# KiCad board amulet_controller.kicad_pcb (continued)
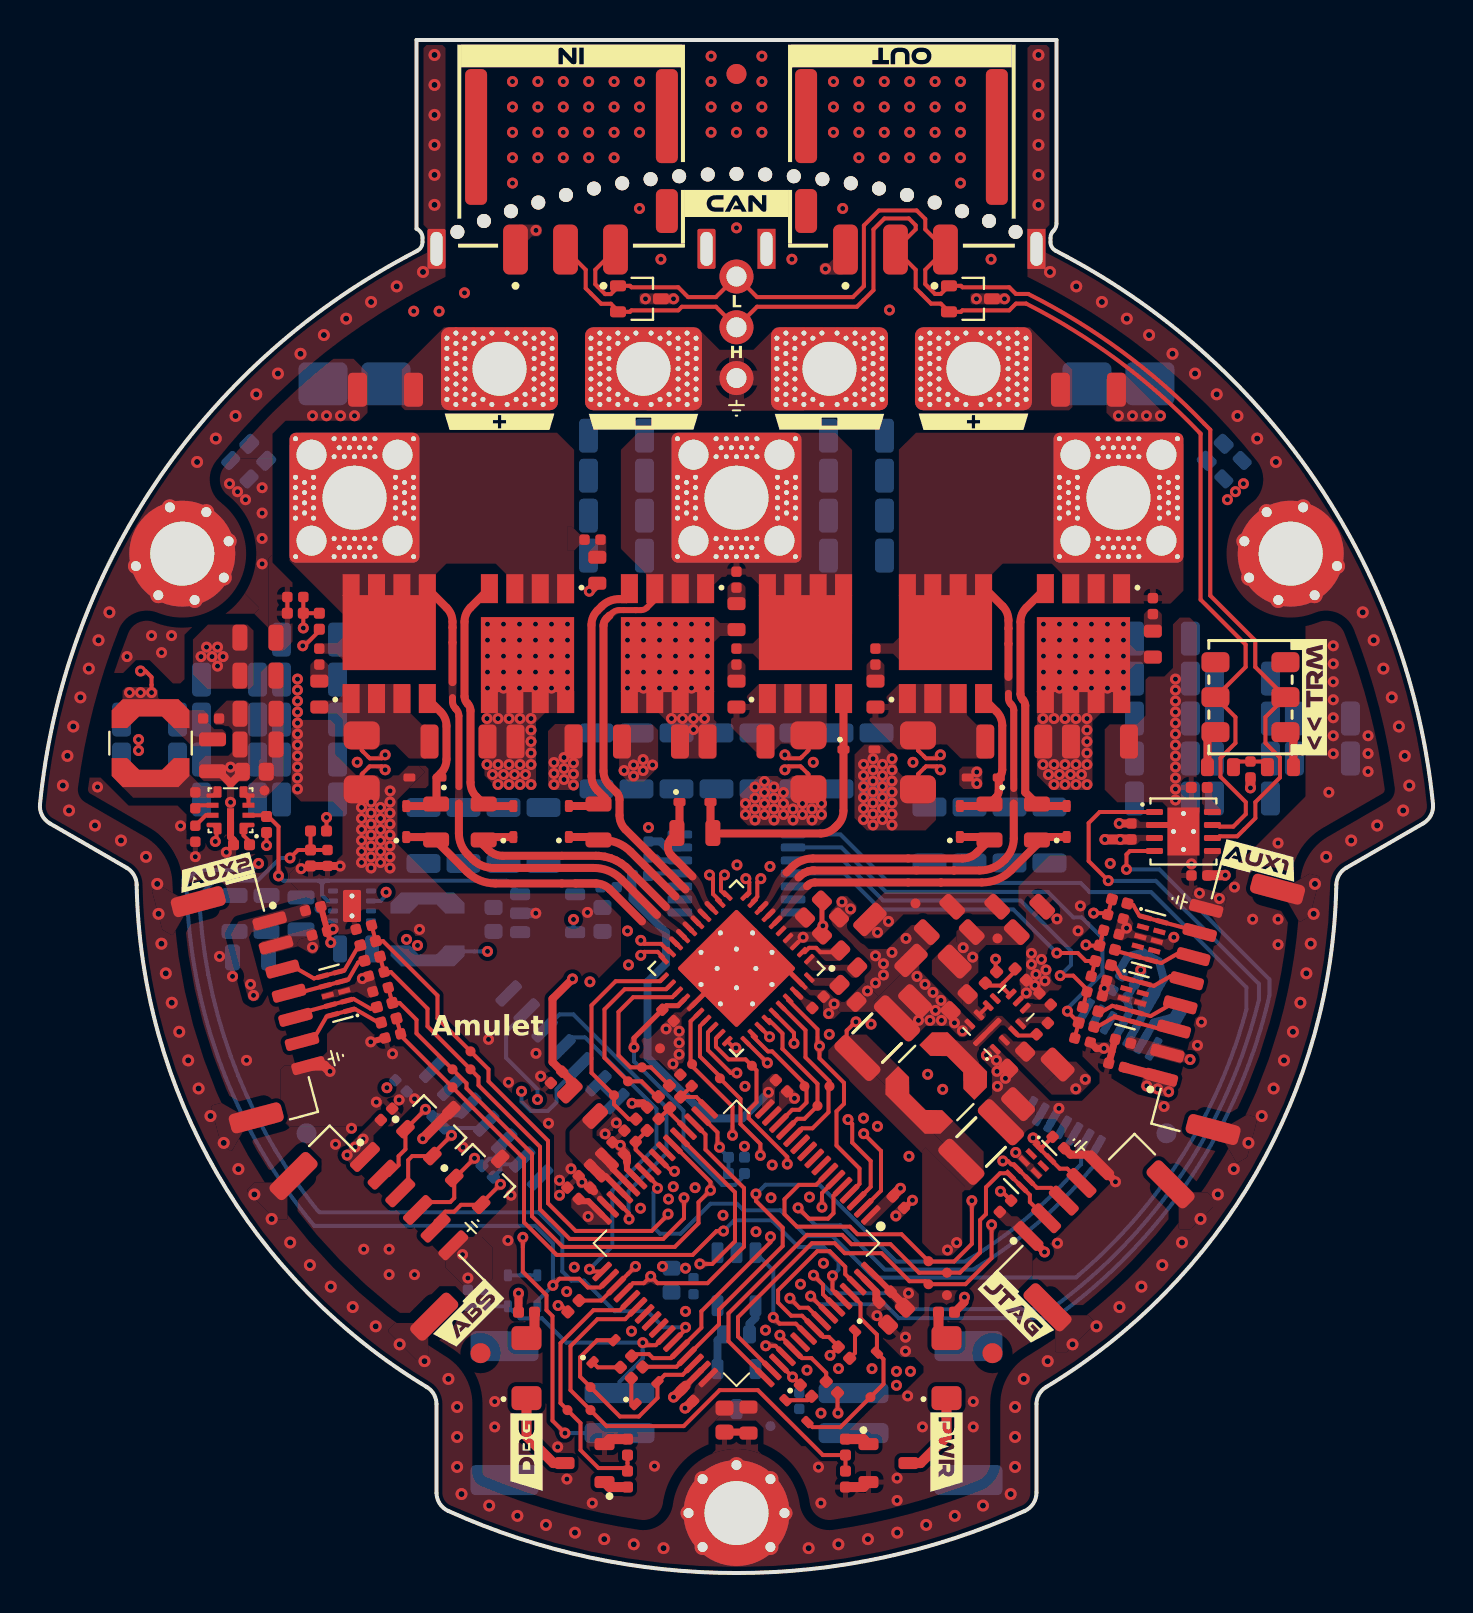
[diagram p0: board, top side]
## Placement (name value [footprint] x y rotation side) (continued)
R35  100R 1% 1/5W  [R_0402_1005_DensityHigh]  52.33 27.43 165 top
R36  100R 1% 1/5W  [R_0402_1005_DensityHigh]  52.53 28.2 165 top
R37  100R 1% 1/5W  [R_0402_1005_DensityHigh]  53.16 30.52 165 top
R38  100R 1% 1/5W  [R_0402_1005_DensityHigh]  53.36 31.28 165 top
R39  100R 1% 1/5W  [R_0402_1005_DensityHigh]  53.99 33.6 165 top
R40  100R 1% 1/5W  [R_0402_1005_DensityHigh]  16.41 31.51 15 top
R41  100R 1% 1/5W  [R_0402_1005_DensityHigh]  16.61 30.74 15 top
R42  100R 1% 1/5W  [R_0402_1005_DensityHigh]  17.24 28.42 15 top
R43  100R 1% 1/5W  [R_0402_1005_DensityHigh]  17.44 27.65 15 top
R44  2k 1%  [R_0402_1005_DensityHigh]  38.3 9.13 135 top
R45  2k 1%  [R_0402_1005_DensityHigh]  29.3 10.58 45 top
R46  2k 1%  [R_0402_1005_DensityHigh]  40.2 11.03 135 top
R47  2k 1%  [R_0402_1005_DensityHigh]  29.85 10.03 45 top
R48  100R 1% 1/5W  [R_0402_1005_DensityHigh]  19.93 22.55 315 bottom
R49  100R 1% 1/5W  [R_0402_1005_DensityHigh]  22.38 20.09 315 bottom
R50  60R4 1% 1/4W  [R_0603_1608_DensityHigh]  62.03 40.32 180 top
R51  60R4 1% 1/4W  [R_0603_1608_DensityHigh]  59.03 40.32 180 top
R52  0R  [R_0603_1608_DensityHigh]  35.43 7.65 90 top  (not fitted)
R53  0R  [R_0603_1608_DensityHigh#2]  10 55.2 315 bottom
R54  0R  [R_0603_1608_DensityHigh#2]  59.66 55.2 225 bottom  (not fitted)
R55  5R 1% 0.4W  [R_0603_1608_DensityHigh]  41.78 43.98 90 top
R56  5R 1% 0.4W  [R_0603_1608_DensityHigh]  34.83 43.98 90 top
R57  5R 1% 0.4W  [R_0603_1608_DensityHigh]  13.97 43.98 90 top
R58  5R 1% 0.4W  [R_0603_1608_DensityHigh]  55.65 46.48 270 top
R59  5R 1% 0.4W  [R_0603_1608_DensityHigh]  34.83 47.85 270 top
R60  5R 1% 0.4W  [R_0603_1608_DensityHigh]  27.87 50.17 270 top
SW1  CAS-220TA  [CAS-220A_NDC-L]  60.53 43.82 180 top
TH1  47k 1% NTC  [R_0402_1005_DensityHigh]  13.97 47.62 90 top
TP1  MOTOR_ENABLE  [TestPoint_Pad_D0.5mm]  40.4 22.69 0 top
TP2  MOTOR_HIZ  [TestPoint_Pad_D0.5mm]  37.7 26.5 0 top
TP3  MOTOR_FAULT  [TestPoint_Pad_D0.5mm]  32.61 25.46 0 top
TP4  DRV_SCLK  [TestPoint_Pad_D0.5mm]  35.6 25.38 0 top
TP5  DRV_MISO  [TestPoint_Pad_D0.5mm]  34 24.75 0 top
TP6  DRV_MOSI  [TestPoint_Pad_D0.5mm]  41.19 21.98 0 top
TP7  DRV_CS  [TestPoint_Pad_D0.5mm]  31.73 20.1 180 bottom
TP8  PWM_PHASEA  [TestPoint_Pad_D0.5mm]  38.23 24.35 0 top
TP9  PWM_PHASEB  [TestPoint_Pad_D0.5mm]  38.88 23.38 0 top
TP10  PWM_PHASEC  [TestPoint_Pad_D0.5mm]  39.48 24.35 0 top
TP11  SOA  [TestPoint_Pad_D0.5mm]  30.1 25.3 0 top
TP12  SOB  [TestPoint_Pad_D0.5mm]  29.4 24.6 0 top
TP13  SOC  [TestPoint_Pad_D0.5mm]  28.7 23.9 0 top
TP14  SWDIO  [TestPoint_Pad_D0.5mm]  45.35 15.03 0 top
TP15  SWCLK  [TestPoint_Pad_D0.5mm]  44.43 14.45 0 top
TP16  NRST  [TestPoint_Pad_D0.5mm]  44.43 15.6 0 top
TP17  AUX1_A  [TestPoint_Pad_D0.5mm]  51.38 28.11 0 top
TP18  AUX1_B  [TestPoint_Pad_D0.5mm]  51.01 29.89 0 top
TP19  AUX1_C  [TestPoint_Pad_D0.5mm]  50.85 31.02 0 top
TP20  AUX1_D  [TestPoint_Pad_D0.5mm]  52.3 31.43 0 top
TP21  AUX1_E  [TestPoint_Pad_D0.5mm]  52.68 33.02 0 top
TP22  AUX1_I2C_PULLUP  [TestPoint_Pad_D0.5mm]  41.53 8.8 0 top
TP23  POS_SENSOR_CS  [TestPoint_Pad_D0.5mm]  30.88 19.25 180 bottom
TP24  AUX2_A  [TestPoint_Pad_D0.5mm]  21.53 26.1 0 top
TP25  AUX2_B  [TestPoint_Pad_D0.5mm]  21.53 25.2 0 top
TP26  AUX2_C  [TestPoint_Pad_D0.5mm]  20.63 25.2 0 top
TP27  AUX2_D  [TestPoint_Pad_D0.5mm]  20.63 24.3 0 top
TP28  AUX2_I2C_PULLUP  [TestPoint_Pad_D0.5mm]  27.53 9.3 0 top
TP29  RS422_RE  [TestPoint_Pad_D0.5mm]  29.46 17.71 180 bottom
TP30  RS422_DE  [TestPoint_Pad_D0.5mm]  27.48 15.2 180 bottom
TP31  LED_DBG  [TestPoint_Pad_D0.5mm]  26.38 8.15 0 top
TP32  LED_PWR  [TestPoint_Pad_D0.5mm]  27.53 8.15 0 top
TP33  FD_CAN_RX  [TestPoint_Pad_D0.5mm]  54.33 35.2 0 top
TP34  FDCAN_TX  [TestPoint_Pad_D0.5mm]  53.42 34.64 0 top
TP35  FAN_CTRL  [TestPoint_Pad_D0.5mm]  36.67 12.79 180 bottom
TP36  SENSE_TEMP_MOT  [TestPoint_Pad_D0.5mm]  30.14 11.52 180 bottom
TP37  SENSE_TEMP_FET  [TestPoint_Pad_D0.5mm]  13.17 47.28 0 top
TP38  SENSE_VBAT  [TestPoint_Pad_D0.5mm]  12.5 35.78 0 top
TP39  +VBAT  [TestPoint_Pad_D0.5mm]  8.6 45.85 0 top
TP40  +VBAT  [TestPoint_Pad_D0.5mm]  43.78 33.5 0 top
TP41  +VBAT  [TestPoint_Pad_D0.5mm]  14.33 37.8 0 top
TP42  F_VIN_12V  [TestPoint_Pad_D0.5mm]  47.88 31.75 0 top
TP43  F_VIN_5V  [TestPoint_Pad_D0.5mm]  11.23 39.15 0 top
TP44  F_VIN_3V3  [TestPoint_Pad_D0.5mm]  13.98 33.25 180 bottom
TP45  +12V  [TestPoint_Pad_D0.5mm]  45.84 16.53 0 top
TP46  +5V  [TestPoint_Pad_D0.5mm]  5.58 44.05 0 top
TP47  +5V  [TestPoint_Pad_D0.5mm]  56.44 24.08 180 bottom
TP48  +3V3  [TestPoint_Pad_D0.5mm]  17.35 24.28 0 top
TP49  +3V3  [TestPoint_Pad_D0.5mm]  43.43 14 0 top
TP50  +3V3  [TestPoint_Pad_D0.5mm]  57.51 25.69 180 bottom
TP51  +A3V3  [TestPoint_Pad_D0.5mm]  26.63 29.73 0 top
TP52  GND  [TestPoint_Pad_D0.5mm]  31 26.25 0 top
TP53  GND  [TestPoint_Pad_D0.5mm]  56.78 39.23 0 top
TP54  GND  [TestPoint_Pad_D0.5mm]  43.28 11.8 0 top
TP55  GND  [TestPoint_Pad_D0.5mm]  17.5 35.28 0 top
TP56  GND  [TestPoint_Pad_D0.5mm]  50.95 23.25 0 top
TP57  GND  [TestPoint_Pad_D0.5mm]  45.35 13.9 0 top
TP58  GND  [TestPoint_Pad_D0.5mm]  58.08 27.57 180 bottom
TP59  GHA  [TestPoint_Pad_D0.4mm]  43.41 34.55 0 top
TP60  GLA  [TestPoint_Pad_D0.4mm]  43.41 35.75 0 top
TP61  SHA  [TestPoint_Pad_D0.4mm]  43.83 35.15 0 top
TP62  GHB  [TestPoint_Pad_D0.4mm]  30.25 35.38 0 top
TP63  GLB  [TestPoint_Pad_D0.4mm]  31.9 35.58 0 top
TP64  SHB  [TestPoint_Pad_D0.4mm]  30.39 36.08 0 top
TP65  GHC  [TestPoint_Pad_D0.4mm]  26.1 35.88 0 top
TP66  GLC  [TestPoint_Pad_D0.4mm]  26.1 34.5 0 top
TP67  SHC  [TestPoint_Pad_D0.4mm]  25.6 35.28 0 top
TP68  SA_P  [TestPoint_Pad_D0.5mm]  36.04 34.74 0 top
TP69  SA_N  [TestPoint_Pad_D0.5mm]  35.29 34.74 0 top
TP70  SB_P  [TestPoint_Pad_D0.5mm]  33.48 34.93 0 top
TP71  SB_N  [TestPoint_Pad_D0.5mm]  34.23 34.93 0 top
TP72  SC_P  [TestPoint_Pad_D0.5mm]  30.04 31.65 0 top
TP73  SC_N  [TestPoint_Pad_D0.5mm]  30.04 30.9 0 top
TP74  FAN_SW  [TestPoint_Pad_D0.5mm]  36.53 7.35 180 bottom
U1  STM32G474RET3  [LQFP-64_10x10mm_P0.5mm]  34.83 16.5 225 top
U2  LMR36506MSC5RPERQ1  [LMR36503]  9.53 38.16 180 top
U3  LMR36006FSCQ  [LMR36006]  47.93 27.63 135 top
U4  TPS62172DSG  [WSON-8-1EP_2x2mm_P0.5mm_EP0.9x1.6mm_ThermalVias]  15.6 33.38 0 bottom
U5  LP2992IM5-3.3/NOPB  [SOT95P280X145-5N]  25.39 33.01 0 bottom
U6  DRV8353FS  [WQFN-40-1EP_6x6mm_P0.5mm_EP4.15x4.15mm_ThermalVias]  34.83 30.25 225 top
U7  AS5047P  [SOP-14_4.4x5mm_P0.65mm_H1.2mm]  34.83 35 180 bottom
U8  AS5048B  [SOP-14_4.4x5mm_P0.65mm_H1.2mm]  52.58 24.75 60 bottom
U9  SN65HVD35DR  [SOIC-14 5.4mm]  24.22 24.39 225 bottom
U10  TCAN1051HGVDRBRQ1  [HVSON-8-1EP_3x3mm_P0.65mm_EP1.6x2.4mm_ThermalVias]  57.18 37.1 0 top
U11  DGD0216WT-7  [SOT-23-5]  34.83 14.7 270 bottom

## Library data of the parts
C1 C84 C110 = -: Datasheet: https://search.murata.co.jp/Ceramy/image/img/A01X/G101/ENG/GRM188Z71C475KE21-01A.pdf; Description: 4.7 µF ±10% 16V Ceramic Capacitor X7R 0603 (1608 Metric); Manufacturer: Murata Electronics; Manufacturer Part Number: GRM188Z71C475KE21J; Supplier 1: Digikey; Supplier Part Number 1: 490-GRM188Z71C475KE21JCT-ND; part: C; ki_fp_filters: C_*
C2 C6 C9 C24 C26 = -: Datasheet: https://search.murata.co.jp/Ceramy/image/img/A01X/G101/ENG/GRM155Z71A105KE01-01A.pdf; Description: 1 µF ±10% 10V Ceramic Capacitor X7R 0402 (1005 Metric); Manufacturer: Murata Electronics; Manufacturer Part Number: GRM155Z71A105KE01J; Supplier 1: Digikey; Supplier Part Number 1: 490-GRM155Z71A105KE01JCT-ND; part: C; ki_fp_filters: C_*
C3-C5 C8 C10 C11 C27 C28 C104 C105 C107-C109 C111-C115 C125-C128 = -: Datasheet: https://search.murata.co.jp/Ceramy/image/img/A01X/G101/ENG/GCM155R71H104KE02-01.pdf; Description: 0.1 µF ±10% 50V Ceramic Capacitor X7R 0402 (1005 Metric); Manufacturer: Murata Electronics; Manufacturer Part Number: GCM155R71H104KE02J; Supplier 1: Digikey; Supplier Part Number 1: 490-14514-1-ND; part: C_Small; ki_fp_filters: C_*
C7 = -: Datasheet: https://www.mouser.ch/datasheet/2/40/CM_Series_e-2835982.pdf; Description: 4.7 µF ±20% 25V Ceramic Capacitor X5R 0402 (1005 Metric); Manufacturer: KYOCERA AVX; Manufacturer Part Number: CM05X5R475M25AH; Supplier 1: Mouser; Supplier Part Number 1: 581-CM05X5R475M25AH; part: C; ki_fp_filters: C_*
C12-C14 = -: Datasheet: https://www.yageo.com/upload/media/product/app/datasheet/mlcc/upy-ac_np0x7rx7s_6_3v-to-2kv.pdf; Description: 1000 pF ±10% 25V Ceramic Capacitor X7R 0402 (1005 Metric); Manufacturer: YAGEO; Manufacturer Part Number: AC0402KRX7R8BB102; Supplier 1: Digikey; Supplier Part Number 1: 311-3065-1-ND; part: C_Small; ki_fp_filters: C_*
C15-C18 C20 C45 C52 = -: Datasheet: https://product.tdk.com/system/files/dam/doc/product/capacitor/ceramic/mlcc/catalog/mlcc_automotive_midvoltage_en.pdf; Description: Multilayer Ceramic Capacitors MLCC - SMD/SMT 0805 100VDC 2.2uF 10% 1.25mm AEC-Q200; Manufacturer: TDK Corporation; Manufacturer Part Number: CGA4J1X7R2A225K125AC; Supplier 1: Mouser; Supplier Part Number 1: 810-CGA4J7R2A225K125; part: C; ki_fp_filters: C_*
C19 C21 C31-C36 C39-C44 C46-C51 C53-C55 C57-C59 C61-C75 C77-C82 C85-C87 C89 C96 C98 C100 = -: Datasheet: https://search.murata.co.jp/Ceramy/image/img/A01X/G101/ENG/GRJ31CZ72A475KE01-01.pdf; Description: 4.7 µF ±10% 100V Ceramic Capacitor X7R 1206 (3216 Metric); Manufacturer: Murata Electronics; Manufacturer Part Number: GRJ31CZ72A475KE01L; Supplier 1: Digikey; Supplier Part Number 1: 490-GRJ31CZ72A475KE01LCT-ND; part: C; ki_fp_filters: C_*
C22 = -: Datasheet: https://mm.digikey.com/Volume0/opasdata/d220001/medias/docus/21/HMK107B7104KAHT_SS.pdf; Description: 0.1 µF ±10% 100V Ceramic Capacitor X7R 0603 (1608 Metric); Manufacturer: Taiyo Yuden; Manufacturer Part Number: HMK107B7104KAHT; Supplier 1: Digikey; Supplier Part Number 1: 587-6009-1-ND; part: C; ki_fp_filters: C_*
C23 C25 = -: Datasheet: https://mm.digikey.com/Volume0/opasdata/d220001/medias/docus/2249/TMK105B7224KV-FR_SS.pdf; Description: 0.22 µF ±10% 100V Ceramic Capacitor X7S 0603 (1608 Metric); Manufacturer: Taiyo Yuden; Manufacturer Part Number: HMK107C7224KAHTE; Supplier 1: Digikey; Supplier Part Number 1: 587-5012-1-ND; part: C_Small; ki_fp_filters: C_*
C29 C101-C103 = -: Datasheet: https://search.murata.co.jp/Ceramy/image/img/A01X/G101/ENG/GCM155R71H104KE02-01.pdf; Description: 0.1 µF ±10% 50V Ceramic Capacitor X7R 0402 (1005 Metric); Manufacturer: Murata Electronics; Manufacturer Part Number: GCM155R71H104KE02J; Supplier 1: Digikey; Supplier Part Number 1: 490-14514-1-ND; part: C; ki_fp_filters: C_*
C30 C38 = -: Datasheet: https://product.tdk.com/system/files/dam/doc/product/capacitor/ceramic/mlcc/catalog/mlcc_automotive_general_en.pdf; Description: 15 µF ±20% 25V Ceramic Capacitor X7R 1210 (3225 Metric); Manufacturer: TDK Corporation; Manufacturer Part Number: CGA6M3X7R1E156M200AB; Supplier 1: Digikey; Supplier Part Number 1: 445-175431-1-ND; part: C; ki_fp_filters: C_*
C37 C83 = -: Datasheet: https://search.murata.co.jp/Ceramy/image/img/A01X/G101/ENG/GRM21BZ71A226ME15-01.pdf; Description: 22 µF ±20% 10V Ceramic Capacitor X7R 0805 (2012 Metric); Manufacturer: Murata Electronics; Manufacturer Part Number: GRM21BZ71A226ME15L; Supplier 1: Digikey; Supplier Part Number 1: 490-GRM21BZ71A226ME15LCT-ND; part: C; ki_fp_filters: C_*
C56 C106 = -: Datasheet: https://search.murata.co.jp/Ceramy/image/img/A01X/G101/ENG/GRM21BZ71E106KE15-01.pdf; Description: 10 µF ±10% 25V Ceramic Capacitor X7R 0805 (2012 Metric); Manufacturer: Murata Electronics; Manufacturer Part Number: GRM21BZ71E106KE15L; Supplier 1: Digikey; Supplier Part Number 1: 490-GRM21BZ71E106KE15LCT-ND; part: C; ki_fp_filters: C_*
C60 C88 C93 = -: Datasheet: https://mm.digikey.com/Volume0/opasdata/d220001/medias/docus/2146/TMK107AB7105KAHT_SS.pdf; Description: 1 µF ±10% 25V Ceramic Capacitor X7R 0603 (1608 Metric); Manufacturer: Taiyo Yuden; Manufacturer Part Number: TMK107AB7105KAHT; Supplier 1: Digikey; Supplier Part Number 1: 587-3467-1-ND; part: C; ki_fp_filters: C_*
C76 = -: Datasheet: https://mm.digikey.com/Volume0/opasdata/d220001/medias/docus/2615/HMR105B7103KV-F_SS.pdf; Description: 10000 pF ±10% 100V Ceramic Capacitor X7R 0402 (1005 Metric); Manufacturer: Taiyo Yuden; Manufacturer Part Number: HMR105B7103KV-F; Supplier 1: Digikey; Supplier Part Number 1: 587-HMR105B7103KV-FCT-ND; part: C_Small; ki_fp_filters: C_*
C90 = -: Datasheet: https://search.murata.co.jp/Ceramy/image/img/A01X/G101/ENG/GCM155R71C104KA55-01.pdf; Description: 0.1 µF ±10% 16V Ceramic Capacitor X7R 0402 (1005 Metric); Manufacturer: Murata Electronics; Manufacturer Part Number: GCM155R71C104KA55D; Supplier 1: Digikey; Supplier Part Number 1: 490-4759-1-ND; part: C_Small; ki_fp_filters: C_*
C91 = -: Datasheet: https://connect.kemet.com:7667/gateway/IntelliData-ComponentDocumentation/1.0/download/datasheet/C0603C473K1RECAUTO; Description: 0.047 µF ±10% 100V Ceramic Capacitor X7R 0603 (1608 Metric); Manufacturer: KEMET; Manufacturer Part Number: C0603C473K1RECAUTO; Supplier 1: Digikey; Supplier Part Number 1: 399-14764-1-ND; part: C_Small; ki_fp_filters: C_*
C92 = -: Datasheet: https://mm.digikey.com/Volume0/opasdata/d220001/medias/docus/21/HMK107B7104KAHT_SS.pdf; Description: 0.1 µF ±10% 100V Ceramic Capacitor X7R 0603 (1608 Metric); Manufacturer: Taiyo Yuden; Manufacturer Part Number: HMK107B7104KAHT; Supplier 1: Digikey; Supplier Part Number 1: 587-6009-1-ND; part: C_Small; ki_fp_filters: C_*
C94 = -: Datasheet: https://search.murata.co.jp/Ceramy/image/img/A01X/G101/ENG/GRT155R70J105KE01-01.pdf; Description: 1 µF ±10% 6.3V Ceramic Capacitor X7R 0402 (1005 Metric); Manufacturer: Murata Electronics; Manufacturer Part Number: GRT155R70J105KE01D; Supplier 1: Digikey; Supplier Part Number 1: 490-18216-1-ND; part: C; ki_fp_filters: C_*
C95 C97 C99 = -: Datasheet: https://connect.kemet.com:7667/gateway/IntelliData-ComponentDocumentation/1.0/download/datasheet/C1206C104K1RACAUTO; Description: 0.1 µF ±10% 100V Ceramic Capacitor X7R 1206 (3216 Metric); Manufacturer: KEMET; Manufacturer Part Number: C1206C104K1RACAUTO; Supplier 1: Digikey; Supplier Part Number 1: 399-7008-1-ND; part: C_Small; ki_fp_filters: C_*
C116-C124 = -: Datasheet: https://search.murata.co.jp/Ceramy/image/img/A01X/G101/ENG/GRM155R72A332KA01-01.pdf; Description: 3300 pF ±10% 100V Ceramic Capacitor X7R 0402 (1005 Metric); Manufacturer: Murata Electronics; Manufacturer Part Number: GRM155R72A332KA01D; Supplier 1: Digikey; Supplier Part Number 1: 490-8261-1-ND; part: C_Small; ki_fp_filters: C_*
C129 = -: Datasheet: https://www.murata.com/-/media/webrenewal/support/library/catalog/products/k35e.ashx?la=en-us&cvid=20200508021757000000; Description: 4700 pF ±10% 100V Ceramic Capacitor X7R 0402 (1005 Metric); Manufacturer: Murata Electronics; Manufacturer Part Number: GCM155R72A472KA37D; Supplier 1: Digikey; Supplier Part Number 1: 490-4765-1-ND; part: C_Small; ki_fp_filters: C_*
C130-C132 = -: Datasheet: https://connect.kemet.com:7667/gateway/IntelliData-ComponentDocumentation/1.0/download/specsheet/C0603V102KDRAC7867; Description: 1000 pF ±10% 1000V (1kV) Ceramic Capacitor X7R 0603 (1608 Metric); Manufacturer: KEMET; Manufacturer Part Number: C0603V102KDRAC7867; Supplier 1: Digikey; Supplier Part Number 1: 399-12306-1-ND; part: C_Small; ki_fp_filters: C_*
C133-C138 = -: Datasheet: https://search.murata.co.jp/Ceramy/image/img/A01X/G101/ENG/GRM155R72A332KA01-01.pdf; Description: 3300 pF ±10% 100V Ceramic Capacitor X7R 0402 (1005 Metric); Manufacturer: Murata Electronics; Manufacturer Part Number: GRM155R72A332KA01D; Supplier 1: Digikey; Supplier Part Number 1: 490-8261-1-ND; Config: -NO_SNUBBER,-NONE; part: C_Small; ki_fp_filters: C_*
D1 D2 = -: Datasheet: https://www.vishay.com/docs/87606/smbj5cdthrusmbj120cd.pdf; Description: Surface-Mount TRANSZORB® Transient Voltage Suppressors; Manufacturer: Vishay; Supplier 1: Digikey; Supplier Part Number 1: SMBJ51CD-M3/HGICT-ND
D3-D11 D14 D15 D19-D22 = -: Datasheet: https://www.st.com/content/ccc/resource/technical/document/datasheet/5b/cd/d8/0a/45/56/41/6c/CD00130227.pdf/files/CD00130227.pdf/jcr:content/translations/en.CD00130227.pdf; Description: Diode 100 V 200mA Surface Mount SOD-523; Manufacturer: STMicroelectronics; Supplier 1: Digikey; Supplier Part Number 1: 497-5556-1-ND; ki_fp_filters: D*DO?201AD*
D12 = -: Datasheet: https://www.bivar.com/parts_content/Datasheets/SM1206NYC-IL.pdf; Description: Yellow 592nm LED Indication - Discrete 2V 1206 (3216 Metric); Manufacturer: Bivar Inc.; Manufacturer Part Number: SM1206NYC-IL; Supplier 1: Digikey; Supplier Part Number 1: 492-1947-1-ND; part: LED; ki_fp_filters: LED* LED_SMD:* LED_THT:*
D13 = -: Datasheet: https://www.bivar.com/parts_content/Datasheets/SM1206NPGC-IL.pdf; Description: Green 525nm LED Indication - Discrete 3V 1206 (3216 Metric); Manufacturer: Bivar Inc.; Manufacturer Part Number: SM1206NPGC-IL; Supplier 1: Digikey; Supplier Part Number 1: 492-1945-1-ND; part: LED; ki_fp_filters: LED* LED_SMD:* LED_THT:*
D16 D17 = -: Datasheet: https://assets.nexperia.com/documents/data-sheet/PESD4USB5B-TBS.pdf; Description: 5.5V (Typ) Clamp 7A (8/20µs) Ipp Tvs Diode Surface Mount, Wettable Flank DFN2510D-10; Manufacturer: Nexperia USA Inc.; Supplier 1: Digikey; Supplier Part Number 1: 1727-PESD4USB5B-TBSXCT-ND
D18 D26 = -: Datasheet: https://assets.nexperia.com/documents/data-sheet/PESD4USB3U-TBS.pdf; Description: 3.5V (Typ) Clamp 7A (8/20µs) Ipp Tvs Diode Surface Mount, Wettable Flank DFN2510D-10; Manufacturer: Nexperia USA Inc.; Supplier 1: Digikey; Supplier Part Number 1: 1727-PESD4USB3U-TBSXCT-ND
D23 D27 = -: Datasheet: https://www.bourns.com/docs/Product-Datasheets/CDSOT23-SM712.pdf; Description: 26V, 14V Clamp 17A (8/20µs) Ipp Tvs Diode Surface Mount SOT-23-3; Manufacturer: Bourns Inc.; Supplier 1: Digikey; Supplier Part Number 1: CDSOT23-SM712CT-ND; ki_fp_filters: SOT?23*
D24 D25 = -: Datasheet: https://assets.nexperia.com/documents/data-sheet/PESD2CANFD24V-U.pdf; Description: 42V Clamp 2.6A (8/20µs) Ipp Tvs Diode Surface Mount SOT-323; Manufacturer: Nexperia USA Inc.; Supplier 1: Digikey; Supplier Part Number 1: 1727-PESD2CANFD24V-UXCT-ND
FB1-FB4 = -: Datasheet: https://www.we-online.com/katalog/datasheet/742792096.pdf; Description: 1 kOhms @ 100 MHz 1 Signal Line Ferrite Bead 0805 (2012 Metric) 1A 300mOhm; Manufacturer: Würth Elektronik; Manufacturer Part Number: 742792096; Supplier 1: Digikey; Supplier Part Number 1: 732-4648-1-ND; part: FerriteBead; ki_fp_filters: Inductor_* L_* *Ferrite*
FM1-FM6 = -: ki_fp_filters: Fiducial*
H1-H3 = -: part: MountingHole_Pad; ki_fp_filters: MountingHole*Pad*
J1 = -: Datasheet: https://www.tme.eu/Document/1191bc2fa3aee3c446e5a895fd8f7983/XT60PW-F.pdf; Description: Socket; DC supply; XT60; female; PIN: 2; on PCBs; THT; yellow; 30A; Manufacturer: AMASS; Supplier 1: Transfer Multisort Elektronik; Config: -NO_XT60,-NONE; part: Conn_01x02_Mounting; ki_fp_filters: Connector*:*_1x??_*
J2 = -: Datasheet: https://www.tme.eu/Document/b13629717d44ae038681dba08d18c0b6/XT60PW-M.pdf; Description: Socket; DC supply; XT60; male; PIN: 2; on PCBs; THT; yellow; 30A; 500V; Manufacturer: AMASS; Supplier 1: Transfer Multisort Elektronik; Config: -NO_XT60,-NONE; part: Conn_01x02_Mounting; ki_fp_filters: Connector*:*_1x??_*
J3-J5 = -: part: Solder Pad; ki_fp_filters: Pin* Test*
J6 = -: Datasheet: https://www.jst-mfg.com/product/pdf/eng/eGH.pdf; Description: Connector Header Surface Mount, Right Angle 8 position 0.049" (1.25mm); Manufacturer: JST Sales America Inc.; Supplier 1: Digikey; Supplier Part Number 1: 455-1570-1-ND; part: Conn_01x08_Mounting; ki_fp_filters: Connector*:*_1x??_*
J7 = -: Datasheet: https://www.jst-mfg.com/product/pdf/eng/eGH.pdf; Description: Connector Header Surface Mount, Right Angle 7 position 0.049" (1.25mm); Manufacturer: JST Sales America Inc.; Manufacturer Part Number: SM07B-GHS-TB(LF)(SN); Supplier 1: Digikey; Supplier Part Number 1: 455-1569-1-ND; part: Conn_01x07_Mounting; ki_fp_filters: Connector*:*_1x??_*
J8 J9 = -: Datasheet: https://www.jst-mfg.com/product/pdf/eng/ePH.pdf; Description: Connector Header Surface Mount, Right Angle 2 position 0.079" (2.00mm); Manufacturer: JST Sales America Inc.; Supplier 1: Digikey; Supplier Part Number 1: 455-S2B-PH-SM4-TBCT-ND; part: Conn_01x02_Mounting; ki_fp_filters: Connector*:*_1x??_*
J10 = -: Datasheet: https://www.jst-mfg.com/product/pdf/eng/eGH.pdf; Description: Connector Header Surface Mount, Right Angle 6 position 0.049" (1.25mm); Manufacturer: JST Sales America Inc.; Supplier 1: Digikey; Supplier Part Number 1: 455-1568-1-ND; part: Conn_01x06_Mounting; ki_fp_filters: Connector*:*_1x??_*
J11 = -: part: Conn_01x03; ki_fp_filters: Connector*:*_1x??_*
J12 J13 = -: Datasheet: https://www.literature.molex.com/SQLImages/kelmscott/Molex/PDF_Images/987651-1223.PDF; Description: Connector Header Surface Mount, Right Angle 3 position 0.098" (2.50mm); Manufacturer: Molex; Manufacturer Part Number: 1054301203; Supplier 1: Digikey; Supplier Part Number 1: WM26098CT-ND; part: Conn_01x03; ki_fp_filters: Connector*:*_1x??_*
J14 = -: Datasheet: https://www.jst-mfg.com/product/pdf/eng/eGH.pdf; Description: Connector Header Surface Mount, Right Angle 5 position 0.049" (1.25mm); Manufacturer: JST Sales America Inc.; Supplier 1: Digikey; Supplier Part Number 1: 455-SM05B-GHS-TBCT-ND; part: Conn_01x05_Mounting; ki_fp_filters: Connector*:*_1x??_*
L1 L2 = -: Datasheet: https://www.coilcraft.com/getmedia/31b05c96-4c4c-4498-8dbb-fe092de76bad/lps4018.pdf; Description: Power Inductors - SMD 22uH Shld 20% 830mA 360 mOhms; Manufacturer: Coilcraft; Manufacturer Part Number: LPS4018-223MRC; Supplier 1: Mouser; Supplier Part Number 1: 994-LPS4018-223MRC; part: L; ki_fp_filters: Choke_* *Coil* Inductor_* L_*
L3 = -: Datasheet: https://www.coilcraft.com/getmedia/3ba581dc-6d87-4be6-9dea-9167ac97554d/lps3314.pdf; Description: Power Inductors - SMD 2.2uH Shld 20% 1.2A 100 mOhms; Manufacturer: Coilcraft; Manufacturer Part Number: LPS3314-222MRC; Supplier 1: Mouser; Supplier Part Number 1: 994-LPS3314-222MRC; part: L; ki_fp_filters: Choke_* *Coil* Inductor_* L_*
NT1-NT14 = -: part: NetTie_2; ki_fp_filters: Net*Tie*
Q1-Q6 = -: Datasheet: https://toshiba.semicon-storage.com/info/TPW1R306PL_datasheet_en_20191021.pdf?did=55843&prodName=TPW1R306PL; Description: N-Channel 60 V 260A (Tc) 960mW (Ta), 170W (Tc) Surface Mount 8-DSOP Advance; Manufacturer: Toshiba Semiconductor and Storage; Supplier 1: Digikey; Supplier Part Number 1: TPW1R306PLL1QCT-ND; ki_fp_filters: TO?92*
Q7-Q9 = -: Datasheet: https://assets.nexperia.com/documents/data-sheet/PMV90ENE.pdf; Description: N-Channel 30 V 3A (Ta) 460mW (Ta) Surface Mount TO-236AB; Manufacturer: Nexperia USA Inc.; Supplier 1: Digikey; Supplier Part Number 1: 1727-2735-1-ND; ki_fp_filters: TO?92*
R1-R3 = -: Datasheet: https://industrial.panasonic.com/cdbs/www-data/pdf/RDA0000/AOA0000C304.pdf; Description: 22 Ohms ±1% 0.1W, 1/10W Chip Resistor 0402 (1005 Metric) Automotive AEC-Q200 Thick Film; Manufacturer: Panasonic Electronic Components; Manufacturer Part Number: ERJ-2RKF22R0X; Supplier 1: Digikey; Supplier Part Number 1: P22.0LCT-ND; part: R_Small; ki_fp_filters: R_*
R4 = -: Datasheet: https://industrial.panasonic.com/ww/products/pt/general-purpose-chip-resistors/models/ERJ2GE0R00X; Description: 0 Ohms Jumper Chip Resistor 0402 (1005 Metric) Automotive AEC-Q200 Thick Film; Manufacturer: Panasonic Electronic Components; Manufacturer Part Number: ERJ-2GE0R00X; Supplier 1: Digikey; Supplier Part Number 1: P0.0JCT-ND; part: R; ki_fp_filters: R_*
R5 R19 R20 R29 = -: Datasheet: https://www.yageo.com/upload/media/product/app/datasheet/rchip/pyu-rt_1-to-0.01_rohs_l.pdf; Description: 100 kOhms ±1% 0.063W, 1/16W Chip Resistor 0402 (1005 Metric) Thin Film; Manufacturer: YAGEO; Manufacturer Part Number: RT0402FRE07100KL; Supplier 1: Digikey; Supplier Part Number 1: YAG2307CT-ND; part: R; ki_fp_filters: R_*
R6 = -: Datasheet: https://www.yageo.com/upload/media/product/app/datasheet/rchip/pyu-rt_1-to-0.01_rohs_l.pdf; Description: 9.09 kOhms ±1% 0.063W, 1/16W Chip Resistor 0402 (1005 Metric) Thin Film; Manufacturer: YAGEO; Manufacturer Part Number: RT0402FRE079K09L; Supplier 1: Digikey; Supplier Part Number 1: 13-RT0402FRE079K09LCT-ND; part: R; ki_fp_filters: R_*
R7 R27 R33 = -: Datasheet: https://www.yageo.com/upload/media/product/app/datasheet/rchip/pyu-rt_1-to-0.01_rohs_l.pdf; Description: 10 kOhms ±1% 0.063W, 1/16W Chip Resistor 0402 (1005 Metric) Thin Film; Manufacturer: YAGEO; Manufacturer Part Number: RT0402FRE0710KL; Supplier 1: Digikey; Supplier Part Number 1: YAG1233CT-ND; part: R; ki_fp_filters: R_*
R8 R9 = -: Datasheet: https://industrial.panasonic.com/cdbs/www-data/pdf/RDA0000/AOA0000C304.pdf; Description: 2 kOhms ±1% 0.1W, 1/10W Chip Resistor 0402 (1005 Metric) Automotive AEC-Q200 Thick Film; Manufacturer: Vishay; Manufacturer Part Number: ERJ-2RKF2001X; Supplier 1: Digikey; Supplier Part Number 1: P2.00KLCT-ND; part: R; ki_fp_filters: R_*
R10 R11 R13 R14 R16 R17 = -: Datasheet: https://www.vishay.com/docs/20043/crcwhpe3.pdf; Description: 7.5 Ohms ±1% 0.5W, 1/2W Chip Resistor 0805 (2012 Metric) Automotive AEC-Q200, Pulse Withstanding Thick Film; Manufacturer: Vishay; Manufacturer Part Number: CRCW08057R50FKEAHP; Supplier 1: Digikey; Supplier Part Number 1: 541-7.50TCT-ND; part: R_Small; ki_fp_filters: R_*
R12 R15 R18 = -: Datasheet: https://www.seielect.com/catalog/sei-hcs.pdf; Description: 0.5 mOhms ±1% 2W Chip Resistor 1206 (3216 Metric) Automotive AEC-Q200, Current Sense, Moisture Resistant Metal Element; Manufacturer: Stackpole Electronics Inc; Manufacturer Part Number: HCS1206FTL500; Supplier 1: Digikey; Supplier Part Number 1: HCS1206FTL500CT-ND; part: R_Small; ki_fp_filters: R_*
R21 R24 = -: Datasheet: https://www.yageo.com/upload/media/product/app/datasheet/rchip/pyu-rt_1-to-0.01_rohs_l.pdf; Description: 100 kOhms ±1% 0.063W, 1/16W Chip Resistor 0402 (1005 Metric) Thin Film; Manufacturer: YAGEO; Manufacturer Part Number: RT0402FRE07100KL; Supplier 1: Digikey; Supplier Part Number 1: YAG2307CT-ND; part: R_Small; ki_fp_filters: R_*
R22 R23 R25 R35-R43 R48 R49 = -: Datasheet: https://www.vishay.com/docs/20065/rcse3.pdf; Description: 100 Ohms ±1% 0.2W, 1/5W Chip Resistor 0402 (1005 Metric) Automotive AEC-Q200, Pulse Withstanding Thick Film; Manufacturer: Vishay; Manufacturer Part Number: RCS0402100RFKED; Supplier 1: Digikey; Supplier Part Number 1: 541-2886-1-ND; part: R_Small; ki_fp_filters: R_*
R26 = -: Datasheet: https://www.vishay.com/docs/20065/rcse3.pdf; Description: 150 Ohms ±1% 0.2W, 1/5W Chip Resistor 0402 (1005 Metric) Automotive AEC-Q200, Pulse Withstanding Thick Film; Manufacturer: Vishay; Manufacturer Part Number: RCS0402150RFKED; Supplier 1: Digikey; Supplier Part Number 1: 541-4373-1-ND; part: R_Small; ki_fp_filters: R_*
R28 = -: Description: 2 kOhms ±1% 0.1W, 1/10W Chip Resistor 0402 (1005 Metric) Automotive AEC-Q200 Thick Film; Manufacturer: Vishay; Manufacturer Part Number: ERJ-2RKF2001X; Supplier 1: Digikey; Supplier Part Number 1: P2.00KLCT-ND; part: R; ki_fp_filters: R_*
R30 = -: Datasheet: https://www.yageo.com/upload/media/product/app/datasheet/rchip/pyu-rt_1-to-0.01_rohs_l.pdf; Description: 4.7 kOhms ±1% 0.063W, 1/16W Chip Resistor 0402 (1005 Metric) Moisture Resistant Thin Film; Manufacturer: YAGEO; Manufacturer Part Number: RT0402FRE134K7L; Supplier 1: Digikey; Supplier Part Number 1: 13-RT0402FRE134K7LCT-ND; part: R; ki_fp_filters: R_*
R31 R32 = -: Datasheet: https://industrial.panasonic.com/ww/products/pt/general-purpose-chip-resistors/models/ERJ2GE0R00X; Description: 0 Ohms Jumper Chip Resistor 0402 (1005 Metric) Automotive AEC-Q200 Thick Film; Manufacturer: Panasonic Electronic Components; Manufacturer Part Number: ERJ-2GE0R00X; Supplier 1: Digikey; Supplier Part Number 1: P0.0JCT-ND; part: R_Small; ki_fp_filters: R_*
R34 = -: Datasheet: https://www.vishay.com/docs/20043/crcwhpe3.pdf; Description: 10 Ohms ±1% 0.333W, 1/3W Chip Resistor 0603 (1608 Metric) Automotive AEC-Q200, Pulse Withstanding Thick Film; Manufacturer: Vishay; Manufacturer Part Number: CRCW060310R0FKEAHP; Supplier 1: Digikey; Supplier Part Number 1: 541-10.0SCT-ND; part: R_Small; ki_fp_filters: R_*
R44-R47 = -: Datasheet: https://industrial.panasonic.com/cdbs/www-data/pdf/RDA0000/AOA0000C304.pdf; Description: 2 kOhms ±1% 0.1W, 1/10W Chip Resistor 0402 (1005 Metric) Automotive AEC-Q200 Thick Film; Manufacturer: Vishay; Manufacturer Part Number: ERJ-2RKF2001X; Supplier 1: Digikey; Supplier Part Number 1: P2.00KLCT-ND; part: R_Small; ki_fp_filters: R_*
R50 R51 = -: Datasheet: https://www.rohm.com/datasheet?p=ESR01MZPF&dist=Digi-key&media=referral&source=digi-key.com&campaign=Digi-key; Description: 60.4 Ohms ±1% 0.25W, 1/4W Chip Resistor 0603 (1608 Metric) Automotive AEC-Q200, Pulse Withstanding Thick Film; Manufacturer: Rohm Semiconductor; Manufacturer Part Number: ESR03EZPF60R4; Supplier 1: Digikey; Supplier Part Number 1: 511-ESR03EZPF60R4CT-ND; part: R_Small; ki_fp_filters: R_*
R52-R54 = -: Datasheet: https://www.vishay.com/docs/20043/crcwhpe3.pdf; Description: 0 Ohms Jumper Chip Resistor 0603 (1608 Metric) Automotive AEC-Q200, Pulse Withstanding Thick Film; Manufacturer: Vishay; Manufacturer Part Number: CRCW06030000Z0EAHP; Supplier 1: Digikey; Supplier Part Number 1: 541-0.0SBCT-ND; part: R_Small; ki_fp_filters: R_*
R55-R60 = -: Datasheet: https://www.seielect.com/catalog/sei-csrt.pdf; Description: 5 Ohms ±1% 0.4W Chip Resistor 0603 (1608 Metric) Automotive AEC-Q200, Current Sense Thin Film; Manufacturer: Stackpole Electronics Inc; Manufacturer Part Number: CSRT0603FT5R00; Supplier 1: Digikey; Supplier Part Number 1: 738-CSRT0603FT5R00CT-ND; Config: -NO_SNUBBER,-NONE; part: R_Small; ki_fp_filters: R_*
SW1 = -: Datasheet: https://www.nidec-copal-electronics.com/e/catalog/switch/cas.pdf; Description: SWITCH SLIDE DPDT 100MA 6V; Manufacturer: Nidec Components Corporation; Supplier 1: Digikey; Supplier Part Number 1: CAS220JCT-ND; part: SW_DPDT_x2; ki_fp_filters: SW*DPDT*
